# Altium PCB YZL-T808-V1.0.PcbDoc (part 2 of 2)
Units mm, origin at the board's own origin, x right, y up, seen from the top; angles counter-clockwise.
Board outline 152.4 x 101.6 mm, 2 copper layers (Top Layer, Bottom Layer); 60 components, 41 nets, 179 pads, 101 vias.
Unrouted connection lines stored in the file: 1.
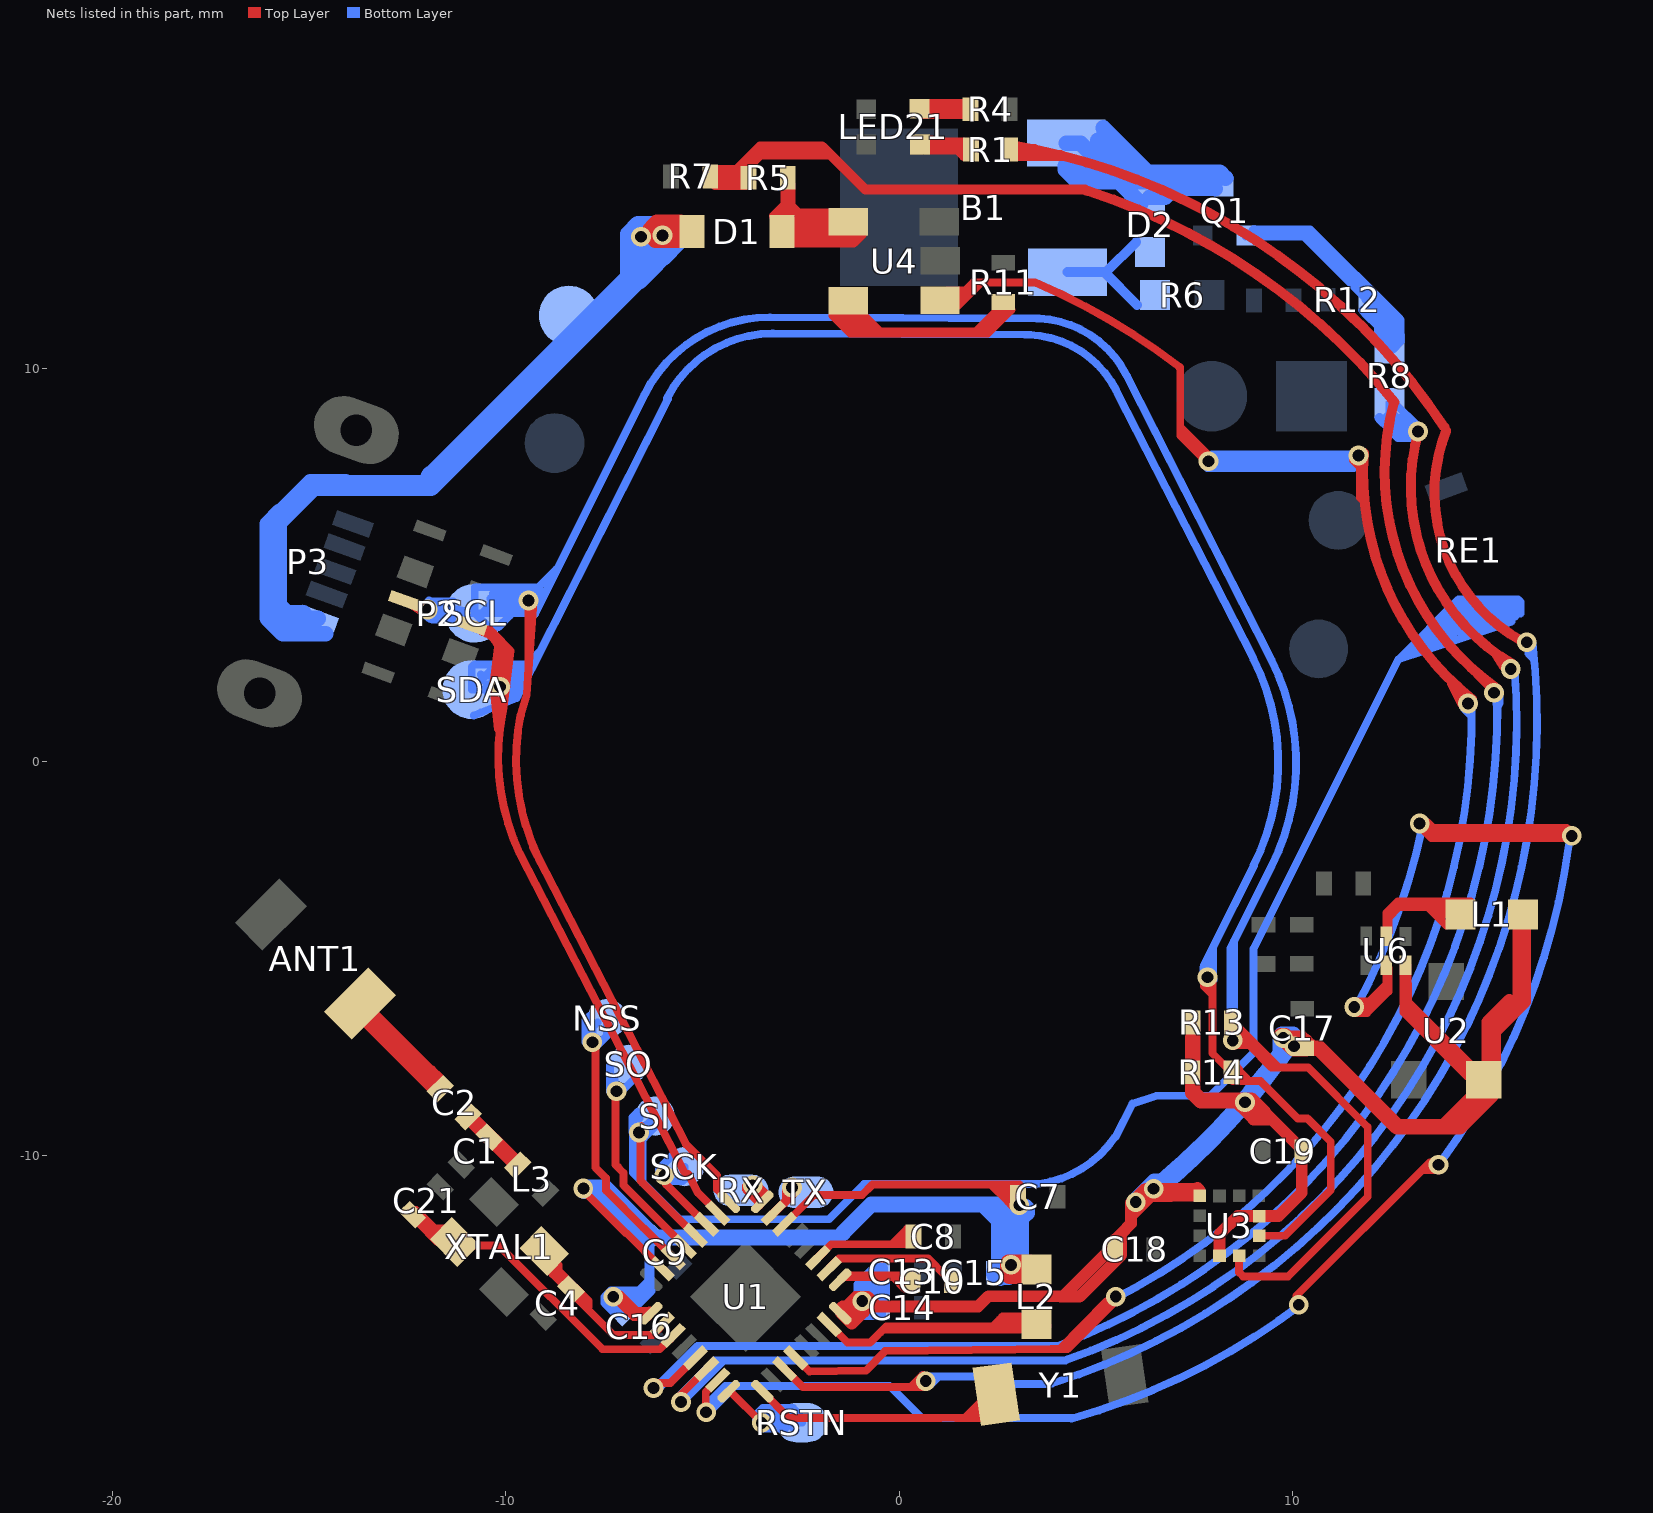
[diagram p2: the nets of this part, all layers, seen from the top]

## Via types
v1: diameter 0.5, hole 0.3, Top Layer to Bottom Layer, 101 vias

## Nets (pads, with @x,y where several pads share a name; then routed paths per layer and width w, separated by ;. In a path a pad name is that pad's centre, name@x,y a point inside that pad or via, vN(x,y) a via of type N, cw(c..) or ccw(c..) an arc to the next point about the centre after c; other vN are vias at no path point) (continued)
LED2: R1.2 U1.11 | length 53.9
  Top Layer w0.2: U1.11@-2.911,-15.435 -2.449,-15.897 0.298,-15.897 ; v1@0.608,-15.586 0.298,-15.897 ; v1@0.671,-15.897 0.298,-15.897
  Top Layer w0.254: R1.2@2.774,15.692 cw(c0.037,-0.661) 13.858,8.499 ; R1.2@2.818,15.557 2.988,15.387 4.166,15.387 ; 13.906,8.416 ccw(c17.917,6.835) v1@15.835,3.06
  Bottom Layer w0.2: v1@0.603,-15.591 0.637,-15.625 0.898,-15.625 ; v1(0.677,-15.746) 0.777,-15.746 0.898,-15.625 ; v1@0.805,-15.832 1.012,-15.625 ; 3.843,-15.815 2.243,-15.815 2.053,-15.625 1.012,-15.625 ; 3.887,-15.806 ccw(c-1.428,1.018) v1@16.103,3.007 ; 15.998,2.748 16.138,2.608 16.138,2.576 ; 0.898,-15.625 1.012,-15.625
  other v1: 15.952,3.032
MOTOR: R8.1 U1.6 | length 49
  Top Layer w0.2: v1(-5.545,-16.275) -5.545,-16.129 -5.565,-16.109 U1.6@-4.891,-15.435
  Top Layer w0.254: v1@13.211,8.421 ccw(c18.219,6.978) v1@15.585,2.481 ; 15.18,2.73 v1@15.371,2.422
  Bottom Layer w0.2: v1@-5.474,-16.299 -5.494,-16.319 v1@-5.538,-16.275 ; -3.722,-15.224 -4.465,-15.224 -5.517,-16.275 v1@-5.538,-16.275 ; 4.228,-15.22 4.222,-15.22 ; v1@13.028,8.359 12.999,8.388 R8.1@12.462,8.925 ; v1@13.19,8.223 12.673,8.223 12.462,8.434 12.462,8.478 12.462,8.709 R8.1@12.462,8.925 ; v1@13.208,8.503 12.601,9.11 R8.1@12.462,9.11 R8.1@12.462,8.925 ; v1@15.645,2.348 cw(c-1.514,1.007) 4.222,-15.22 ; v1@-5.538,-16.275 v1(-5.545,-16.275) -5.545,-16.08 -4.685,-15.22 4.222,-15.22
  Bottom Layer w0.254: 12.211,8.729 12.462,8.478 12.552,8.388 12.688,8.388 ; R8.1@12.408,8.763 12.462,8.709 12.688,8.483 12.688,8.388 ; R8.1@12.793,8.752 12.826,8.752 v1(13.19,8.388) 12.999,8.388 12.688,8.388
  other v1: 15.546,2.353
NetANT1_1: ANT1.1 C2.1 | length 12.3
  Top Layer w0.2: ANT1.1@-13.631,-6.559 -13.631,-6.598 -12.41,-7.819 ; ANT1.1@-13.596,-6.57 -13.521,-6.57 -12.272,-7.819 ; ANT1.1@-13.572,-5.973 -13.572,-6.138 -11.891,-7.819 ; ANT1.1@-13.486,-6.437 -12.103,-7.819 ; -12.219,-8.007 C2.1@-11.914,-8.312 ; -12.037,-7.8 -12.017,-7.819 ; -11.666,-8.029 -11.876,-7.819 -11.891,-7.819 ; -12.41,-7.819 -12.272,-7.819 ; -12.41,-7.819 -11.917,-8.312 C2.1@-11.914,-8.312 ; -12.272,-7.819 -12.103,-7.819 ; -12.272,-7.819 C2.1@-11.779,-8.312 ; -12.103,-7.819 -12.021,-7.902 -11.935,-7.902 ; -12.103,-7.819 -12.017,-7.819 ; -12.017,-7.819 -11.935,-7.902 ; -12.017,-7.819 -11.891,-7.819 ; -11.935,-7.902 C2.1@-11.662,-8.175 ; C2.1@-11.914,-8.312 C2.1@-11.779,-8.312 ; -11.891,-7.819 -11.662,-8.048 C2.1@-11.662,-8.175 ; C2.1@-11.779,-8.312 C2.1@-11.662,-8.312 C2.1@-11.662,-8.175
NetB1_1: B1.1 D2.2 R6.2 | length 3.3
  Bottom Layer w0.25: B1.1@4.278,12.441 B1.1@5.213,12.441 ; D2.2@6.029,13.211 5.259,12.441 B1.1@5.213,12.441 ; 6.048,11.606 B1.1@5.213,12.441
NetB1_2: B1.2 D2.1 Q1.3 | length 15.3
  Bottom Layer w0.4: B1.2@4.229,15.143 4.229,15.042 4.526,14.745 5.149,14.745 ; B1.2@4.247,15.72 4.61,15.72 5.349,14.981 5.849,14.981 ; 4.566,15.073 4.843,15.073 5.149,14.766 5.149,14.745 ; B1.2@5.054,15.784 5.054,15.775 5.849,14.981 ; B1.2@5.186,16.105 6.311,14.981 ; D2.1@6.139,14.177 6.139,14.18 5.574,14.745 ; D2.1@6.377,14.341 D2.1@6.674,14.341 ; 6.499,14.981 6.311,14.981 ; 7.054,14.638 6.99,14.574 ; 7.987,14.574 6.99,14.574 ; 8,14.745 7.847,14.745 ; Q1.3@8.034,14.558 7.847,14.745 ; Q1.3@8.295,14.835 8.149,14.981 6.311,14.981 ; 5.149,14.745 5.574,14.745 ; 5.574,14.745 7.847,14.745 ; 5.849,14.981 6.311,14.981 ; D2.1@6.674,14.341 6.757,14.341 6.99,14.574 ; D2.1@6.674,14.341 6.907,14.574 6.99,14.574
NetC1_2: C1.2 C2.2 L3.2 | length 5.4
  Top Layer w0.2: C2.2@-10.997,-9.098 -9.784,-10.31 -9.695,-10.31 L3.2@-9.695,-10.257 -9.695,-10.115 -10.835,-8.975 C2.2@-10.857,-8.975 ; C2.2@-10.954,-9.022 -9.704,-10.272 L3.2@-9.699,-10.272
NetC4_2: C4.2 U1.2 XTAL1.1 | length 5.7
  Top Layer w0.2: XTAL1.1@-9.02,-12.435 -8.657,-12.797 -8.657,-12.942 -7.888,-13.711 -7.888,-13.847 ; XTAL1.1@-8.896,-12.94 -8.816,-13.02 ; XTAL1.1@-8.767,-12.775 -8.816,-12.823 -8.816,-13.02 ; U1.2@-6.092,-14.4 -6.262,-14.57 -7.266,-14.57 -8.816,-13.02
NetC8_2: C8.2 U1.19 | length 3.2
  Top Layer w0.2: U1.19@-2.063,-12.606 -1.723,-12.266 -0.189,-12.266 ; C8.2@0.166,-12.266 0.023,-12.266 ; C8.2@0.183,-12.067 0.023,-12.227 0.023,-12.266 ; C8.2@0.204,-11.873 -0.189,-12.266 ; -0.189,-12.266 0.023,-12.266
NetC10_1: C10.1 U1.17 | length 4.1
  Top Layer w0.2: U1.17@-1.497,-13.172 U1.17@-1.432,-13.107 ; U1.17@-1.436,-13.107 U1.17@-1.432,-13.107 ; C10.1@0.15,-13.405 -0.148,-13.107 ; C10.1@0.187,-13.124 0.119,-13.056 -0.199,-13.056 ; C10.1@0.342,-13.209 0.191,-13.209 0.089,-13.107 -0.148,-13.107 ; U1.17@-1.432,-13.107 -0.148,-13.107 ; U1.17@-1.432,-13.107 -1.381,-13.056 -0.199,-13.056 ; -0.199,-13.056 -0.148,-13.107
NetC10_2: C10.2 U1.18 | length 3.3
  Top Layer w0.2: U1.18@-1.78,-12.889 -1.78,-12.884 -1.527,-12.631 0.739,-12.631 C10.2@1.185,-13.077
NetC21_1: C21.1 U1.3 XTAL1.3 | length 9
  Top Layer w0.2: C21.1@-12.277,-11.397 -11.81,-11.865 ; C21.1@-12.231,-11.711 -11.73,-12.212 XTAL1.3@-11.485,-12.212 ; XTAL1.3@-11.485,-12.224 XTAL1.3@-11.485,-12.212 ; XTAL1.3@-11.442,-11.865 -11.81,-11.865 ; XTAL1.3@-11.295,-12.212 XTAL1.3@-11.485,-12.212 ; XTAL1.3@-10.98,-12.298 -10.174,-12.298 -7.535,-14.937 -6.085,-14.937 -5.831,-14.683 U1.3@-5.81,-14.683 ; -11.81,-11.865 -11.485,-12.19 XTAL1.3@-11.485,-12.212
NetD1_1: D1.1 P3.1 pad.1 | length 56.2
  Top Layer w0.4: -6.327,13.526 -6.219,13.551 ; v1(-6.014,13.376) -5.945,13.445 D1.1@-5.367,13.445 ; D1.1@-5.547,13.7 -6.161,13.7 -6.263,13.599 -6.263,13.318 -6.2,13.255 -5.358,13.255 -5.264,13.349 D1.1@-5.264,13.473
  Bottom Layer w0.4: -15.909,6.185 -15.909,6.159 ; -15.739,6.362 -16.062,6.038 -16.062,3.646 -15.668,3.252 -15.281,3.252 ; -15.253,3.568 -15.07,3.385 -15.07,3.252 ; -14.93,6.948 -14.871,6.948 ; P3.1@-14.77,3.636 -14.997,3.636 -15.14,3.779 -15.546,3.779 -15.76,3.993 ; -14.578,3.252 -15.07,3.252 ; -14.226,7.113 -14.223,7.11 ; -14.068,7.11 -14.223,7.11 ; -11.971,7.244 -11.903,7.311 ; -11.937,7.3 -11.926,7.311 -11.903,7.311 ; -11.74,7.101 -6.644,12.197 ; v1(-6.559,13.343) -6.559,13.057 -6.635,12.981 ; v1@-6.522,13.383 -6.635,13.27 -6.635,12.981 ; v1@-6.254,13.409 -6.258,13.405 -6.258,12.956 ; v1(-6.014,13.376) -6.014,13.009 ; -5.997,12.796 -5.574,13.218 -5.574,13.609 -5.636,13.671 -6.64,13.671 -6.893,13.419 -6.893,12.724 ; -15.909,6.159 -15.909,4.142 -15.76,3.993 ; -15.909,6.159 -14.958,7.11 -14.223,7.11 ; -15.76,3.993 -15.76,6.059 -14.871,6.948 ; -15.76,3.993 -15.76,3.73 -15.281,3.252 ; -15.281,3.252 -15.07,3.252 ; -14.871,6.948 -11.892,6.948 -11.752,7.088 -14.201,7.088 -14.223,7.11 ; -11.903,7.311 -6.893,12.322 ; -11.903,7.311 -11.722,7.311 -6.837,12.197 ; -6.893,12.322 -6.893,12.724 ; -6.893,12.322 -6.893,12.248 -6.944,12.197 -6.837,12.197 ; -6.893,12.322 -6.635,12.579 ; -6.893,12.724 -6.635,12.981 ; -6.837,12.197 -6.644,12.197 ; -6.837,12.197 -6.635,12.398 ; -6.644,12.197 -6.635,12.197 ; -6.644,12.197 -6.635,12.205 ; -6.635,12.197 -6.635,12.205 ; -6.635,12.197 -6.604,12.197 -6.258,12.542 ; -6.635,12.205 -6.635,12.398 ; -6.635,12.205 -6.258,12.582 ; -6.635,12.398 -6.635,12.579 ; -6.635,12.398 -6.258,12.775 ; -6.635,12.579 -6.635,12.981 ; -6.635,12.579 -6.258,12.956 ; -6.258,12.542 -6.258,12.582 ; -6.258,12.542 -6.014,12.786 -6.014,12.826 ; -6.258,12.582 -6.258,12.775 ; -6.258,12.582 -6.014,12.826 ; -6.258,12.775 -6.258,12.956 ; -6.258,12.956 -6.205,13.009 -6.014,13.009 ; -6.014,12.826 -6.014,13.009
NetL1_2: L1.2 U6.2 | length 6.7
  Top Layer w0.2: U6.2@12.383,-4.453 12.383,-3.849 12.682,-3.55 L1.2@14.521,-3.55 ; U6.2@12.437,-4.34 12.437,-3.964 12.7,-3.701 13.442,-3.701 ; 13.687,-3.722 13.851,-3.886 L1.2@14.268,-3.886 ; L1.2@13.908,-4.166 13.442,-3.701 ; L1.2@14.435,-3.854 14.281,-3.701 13.442,-3.701
NetL2_2: L2.2 U1.15 | length 12.1
  Top Layer w0.2: U1.15@-1.78,-14.303 -1.774,-14.303 -1.309,-14.768 -0.742,-14.768 -0.325,-14.351 3.487,-14.345 L2.2@3.501,-14.345 ; -0.476,-14.512 -0.397,-14.434 3.413,-14.434 L2.2@3.501,-14.345 ; 2.419,-14.316 2.556,-14.179 ; L2.2@3.266,-14.248 3.198,-14.179 2.556,-14.179 ; L2.2@3.776,-14.345 L2.2@3.501,-14.345 ; 2.556,-14.179 2.63,-14.106 3.413,-14.106 3.487,-14.179 L2.2@3.487,-14.293 3.554,-14.293 L2.2@3.501,-14.345
NetLED21_1: LED21.1 R4.1 | length 3.9
  Top Layer w0.25: R4.1@1.727,16.685 1.694,16.718 0.688,16.718 LED21.1@0.56,16.591 ; R4.1@1.782,16.459 1.777,16.464 0.609,16.464 0.52,16.553 LED21.1@0.52,16.591 LED21.1@0.56,16.591 ; R4.1@1.829,16.574 1.813,16.591 LED21.1@0.56,16.591
NetLED21_2: LED21.2 R1.1 | length 4.3
  Top Layer w0.25: LED21.2@0.632,15.78 0.674,15.739 0.899,15.739 ; 0.924,15.713 0.899,15.739 ; R1.1@1.653,15.388 1.482,15.559 0.655,15.559 LED21.2@0.53,15.683 ; R1.1@1.758,15.628 1.702,15.683 R1.1@1.698,15.683 ; R1.1@1.825,15.557 R1.1@1.698,15.683 ; LED21.2@0.53,15.683 0.53,15.749 0.574,15.793 0.844,15.793 0.899,15.739 ; LED21.2@0.53,15.683 R1.1@1.698,15.683 ; 0.899,15.739 1.643,15.739 R1.1@1.698,15.683
NetQ1_G: Q1.1 R8.2 R12.2 | length 17.1
  Bottom Layer w0.254: Q1.1@8.823,13.373 10.299,13.373 R12.2@11.843,11.828 ; Q1.1@9.013,13.496 9.019,13.502 10.374,13.502 11.882,11.994 R12.2@11.882,11.741 ; 9.343,13.503 10.444,13.503 12.717,11.229 12.717,11.046 ; R12.2@11.807,11.463 11.873,11.398 ; 11.873,11.422 11.873,11.398 ; R12.2@11.964,11.578 12.653,10.889 12.653,10.88 ; R12.2@12.077,11.675 12.706,11.046 12.717,11.046 ; 12.196,11.163 12.2,11.16 12.2,11.071 ; 12.388,11.02 12.461,10.947 R8.2@12.461,10.494 ; 11.873,11.398 12.2,11.071 ; 12.2,11.071 12.233,11.038 12.233,10.723 R8.2@12.461,10.494 ; 12.2,11.071 12.2,10.681 12.386,10.494 R8.2@12.461,10.494 ; R8.2@12.461,10.494 12.536,10.494 12.717,10.676 12.717,11.046
NetR11_1: R11.1 U4.5 | length 9
  Top Layer w0.25: -1.668,11.336 -1.239,10.907 -1.126,10.907 ; U4.5@-1.507,11.443 -1.126,11.062 -1.126,10.907 ; U4.5@-1.212,11.384 -0.858,11.03 -0.858,10.907 ; U4.5@-1.121,11.536 -0.493,10.907 ; R11.1@2.601,11.551 1.957,10.907 ; R11.1@2.665,11.583 2.665,11.508 2.064,10.907 ; R11.1@2.828,11.487 2.248,10.907 2.064,10.907 ; -1.126,10.907 -0.858,10.907 ; -0.858,10.907 -0.493,10.907 ; -0.493,10.907 1.957,10.907 ; 1.957,10.907 2.064,10.907
NetU1_9: U1.9 Y1.1 | length 8
  Top Layer w0.2: U1.9@-3.477,-16 -3.477,-16.005 -2.801,-16.681 1.053,-16.681 1.119,-16.676 1.665,-16.679 ; 1.442,-16.683 1.661,-16.683 1.663,-16.681 ; 1.609,-16.681 1.663,-16.681 ; Y1.1@2.114,-16.418 1.939,-16.593 1.939,-16.681 ; Y1.1@2.239,-16.681 2.008,-16.681 ; Y1.1@2.47,-16.078 2.266,-16.078 1.665,-16.679 ; 1.663,-16.681 2.008,-16.681 ; 1.663,-16.681 1.665,-16.679 ; 1.665,-16.679 1.939,-16.681 ; 1.939,-16.681 2.008,-16.681
P00/UART1_TX: TX.1 U1.23 | length 1.6
  Top Layer w0.2: U1.23@-3.264,-11.572 v1@-2.67,-10.977 ; U1.23@-3.194,-11.475 -2.976,-11.257 -2.976,-11.247 -2.871,-11.141 v1@-2.871,-10.863
  Bottom Layer w0.2: TX.1@-2.722,-10.873 v1(-2.722,-10.826)
P01/UART1_RX: RX.1 U1.24 | length 2.1
  Top Layer w0.2: v1@-3.893,-10.785 -3.893,-10.874 -3.574,-11.192 U1.24@-3.551,-11.192 ; v1(-3.724,-10.765) -3.724,-11.019 U1.24@-3.551,-11.192 ; v1@-3.614,-10.891 -3.614,-10.898 -3.477,-11.035 U1.24@-3.477,-11.192 ; v1@-3.551,-10.824 -3.357,-11.018 -3.357,-11.072 U1.24@-3.477,-11.192 ; U1.24@-3.547,-11.289 -3.547,-11.196 U1.24@-3.551,-11.192 ; U1.24@-3.551,-11.192 U1.24@-3.477,-11.192
P02/I2C_SCL: P2.3 R13.1 SCL.1 U1.25 U3.12 | length 90.9
  Top Layer w0.2: P2.3@-12.27,3.98 P2.3@-12.571,4.086 ; v1@-12.182,3.841 P2.3@-12.571,4.086 ; v1@-12.112,3.965 v1@-12.101,3.957 ; v1@-12.015,3.933 v1@-12.101,3.957 ; -9.626,1.171 ccw(c-3.949,0.053) -9.19,-2.397 ; -9.612,1.189 -9.465,1.702 -9.423,2.374 v1(-9.417,4.095) ; -9.436,2.16 -9.296,4.086 v1@-9.295,4.097 ; -9.313,-2.16 -9.19,-2.397 ; -9.108,-2.567 cw(c-3.949,0.053) -9.19,-2.397 ; -5.416,-9.729 -5.404,-9.74 ; U1.25@-4.306,-11.199 -4.625,-10.88 -4.625,-10.519 -5.404,-9.74 ; v1@8.516,-7.229 8.534,-7.21 8.9,-7.21 ; R13.1@8.576,-6.886 8.9,-7.21 ; R13.1@8.581,-6.706 9.65,-7.775 ; U3.12@8.643,-12.56 8.643,-12.982 8.744,-13.083 9.888,-13.083 11.913,-11.057 11.913,-9.29 10.398,-7.775 9.65,-7.775 ; P2.3@-12.571,4.086 v1@-12.101,3.957 ; P2.3@-12.571,4.086 -12.064,3.883 v1(-11.982,3.865) v1@-12.101,3.957 ; -9.19,-2.397 -5.404,-9.74 ; 8.9,-7.21 9.464,-7.775 9.65,-7.775
  Bottom Layer w0.2: v1@-11.999,3.688 ccw(c-11.814,3.873) -11.814,3.612 -11.286,3.612 cw(c-10.9,3.226) SCL.1@-10.979,3.766 ; v1@-11.999,3.736 -11.978,3.736 SCL.1@-10.979,3.766 ; v1@-11.917,4.024 SCL.1@-10.785,3.772 ; SCL.1@-11.333,4.072 -11.889,4.072 cw(c-11.889,4.152) -11.946,4.095 ccw(c-11.861,4.01) -11.982,4.01 v1(-11.982,3.865) SCL.1@-11.268,3.8 ; SCL.1@-10.407,3.911 -10.357,3.861 v1@-9.478,3.861 ; SCL.1@-10.387,4.143 -10.369,4.161 -9.187,4.161 -9.187,4.152 v1@-9.302,4.037 ; SCL.1@-10.323,4.27 -9.141,4.27 -9.081,4.33 -8.969,4.33 ; -9.899,3.705 -10.181,3.423 -10.437,3.423 SCL.1@-10.785,3.772 ; -9.257,3.754 -9.153,3.963 -8.969,4.33 ; v1@-9.221,4.037 v1@-9.302,4.037 ; -9.183,3.929 -9.251,3.861 ; -8.705,4.897 -9.17,4.432 -10.785,4.432 SCL.1@-10.785,3.772 ; -6.473,9.326 -8.969,4.33 ; -6.462,9.347 cw(c-3.288,7.735) -3.288,11.295 ; -3.274,11.295 3.506,11.265 ; 3.555,11.26 cw(c3.448,8.662) 5.766,9.84 ; 5.789,9.796 9.465,2.585 ; v1@8.419,-7.048 8.419,-4.744 8.512,-4.559 ; v1@8.519,-7.01 8.512,-7.004 8.512,-4.559 ; 9.445,-2.698 8.512,-4.559 ; 9.464,-2.661 ccw(c4.306,-0.041) 9.464,2.579 ; SCL.1@-10.979,3.766 cw(c-10.9,3.226) -10.9,3.772 SCL.1@-10.785,3.772 ; SCL.1@-10.979,3.766 SCL.1@-10.785,3.772 ; SCL.1@-10.785,3.772 SCL.1@-10.606,3.772 ; SCL.1@-10.606,3.772 -9.567,3.772 ; SCL.1@-10.606,3.772 -10.341,4.037 v1@-9.302,4.037 ; -9.567,3.772 -9.34,3.772 -9.251,3.861 ; -9.567,3.772 v1@-9.478,3.861 ; v1@-9.478,3.861 v1@-9.302,4.037 ; v1@-9.478,3.861 -9.251,3.861
  other v1: 8.481,-7.086
P03/I2C_SDA: P2.4 R14.1 SDA.1 U1.26 U3.2 | length 82.2
  Top Layer w0.2: -10.497,3.256 -10.45,3.256 -10.289,3.095 ; -10.492,3.362 -10.401,3.362 -10.299,3.26 -10.302,3.258 ; -10.435,3.297 -10.589,3.297 P2.4@-10.688,3.396 ; -10.404,3.274 -10.289,3.095 ; -10.198,0.824 -10.309,1.887 -10.31,1.896 -10.31,1.963 -10.198,2.912 ; -10.166,1.224 -10.109,1.901 -10.108,1.913 -10.04,2.711 ; -10.081,1.241 ccw(c-4.404,0.123) -9.646,-2.327 ; -10.06,1.289 -9.989,1.886 v1@-9.987,1.902 ; -10.025,2.893 -10.04,2.711 ; v1@-9.983,1.902 v1@-9.987,1.902 ; -9.63,-2.348 -5.456,-10.444 -5.359,-10.475 -5.107,-10.964 ; -5.109,-10.962 -5.107,-10.964 ; -5.107,-10.966 -5.107,-10.964 ; U1.26@-4.589,-11.482 -5.107,-10.964 ; v1@7.719,-5.495 v1@7.745,-5.495 ; v1@7.744,-5.59 7.744,-5.708 7.963,-5.927 ; v1@7.92,-5.48 7.963,-5.522 7.963,-5.927 ; R14.1@8.481,-8.122 9.185,-8.122 10.132,-9.07 10.379,-9.07 10.971,-9.662 10.971,-10.889 9.809,-12.051 U3.2@9.152,-12.051 ; 8.647,-7.879 8.647,-7.826 8.601,-7.779 8.601,-7.836 R14.1@8.539,-7.898 ; 8.743,-8.071 R14.1@8.57,-7.898 ; 8.832,-8.05 8.68,-7.898 R14.1@8.57,-7.898 ; P2.4@-10.688,3.396 -10.302,3.258 ; P2.4@-10.688,3.396 P2.4@-10.883,3.465 -10.757,3.465 P2.4@-10.688,3.396 ; -10.302,3.258 -9.877,2.816 v1@-9.987,1.903 ; -10.289,3.095 -10.04,2.711 ; 7.963,-5.927 7.963,-7.404 7.958,-7.409 R14.1@8.446,-7.898 R14.1@8.539,-7.898 ; R14.1@8.539,-7.898 R14.1@8.57,-7.898
  Bottom Layer w0.2: SDA.1@-10.812,1.171 -10.625,1.247 -9.72,1.615 ; SDA.1@-10.632,2.215 -10.61,2.193 SDA.1@-10.498,2.193 ; SDA.1@-10.525,1.833 -10.477,1.785 -9.633,1.785 ; SDA.1@-10.474,1.966 -10.472,1.964 SDA.1@-10.402,1.964 ; SDA.1@-10.15,1.612 -10.106,1.656 -9.699,1.656 -9.633,1.785 ; -9.56,2.121 -9.619,2.121 ; -9.559,2.306 -9.594,2.341 -10.35,2.341 SDA.1@-10.498,2.193 ; -9.332,2.371 -9.337,2.371 ; -9.15,2.779 -9.459,2.47 -10.796,2.47 -10.862,2.404 SDA.1@-10.862,1.829 ; -5.899,9.235 cw(c-3.216,7.873) -3.216,10.881 ; -5.87,9.217 -9.337,2.371 ; -3.201,10.881 3.309,10.849 ; 3.202,10.851 cw(c3.202,8.251) 3.309,10.849 ; 3.341,10.848 3.309,10.849 ; 5.521,9.428 ccw(c3.202,8.251) 3.309,10.849 ; 5.543,9.385 9.002,2.618 ; 7.729,-5.226 7.729,-5.387 7.824,-5.482 7.887,-5.482 7.887,-5.084 7.895,-5.076 ; 7.746,-5.183 7.983,-4.71 ; v1@7.994,-5.552 7.983,-5.542 7.983,-4.71 ; 9.009,-2.641 ccw(c3.85,-0.021) 9.009,2.599 ; 9.026,-2.629 7.983,-4.71 ; SDA.1@-10.862,1.829 SDA.1@-10.498,2.193 ; SDA.1@-10.862,1.829 -10.537,1.829 SDA.1@-10.402,1.964 ; SDA.1@-10.498,2.193 -9.547,2.193 ; SDA.1@-10.402,1.964 -9.543,1.964 ; SDA.1@-10.402,1.964 -10.245,2.121 -9.619,2.121 ; -9.633,1.785 -9.543,1.964 ; -9.619,2.121 -9.547,2.193 ; -9.547,2.193 -9.368,2.371 -9.337,2.371 ; -9.543,1.964 -9.337,2.371
  other v1: 7.839,-5.48 -10.142,1.904
P04/SPI_SCK: SCK.1 U1.27 | length 3.4
  Top Layer w0.2: v1@-5.947,-10.476 -5.947,-10.49 -5.922,-10.515 -5.922,-10.744 -4.909,-11.758 U1.27@-4.891,-11.758
  Bottom Layer w0.2: v1(-5.971,-10.518) -6.104,-10.384 -6.104,-10.348 SCK.1@-5.702,-9.947 ; v1@-5.958,-10.666 -5.501,-10.666 -5.453,-10.619 SCK.1@-5.453,-10.296
P05/SPI_SI: RE1.1 SI.1 U1.28 | length 56.6
  Top Layer w0.2: v1@-6.555,-9.254 -6.574,-9.272 -6.574,-10.653 -5.186,-12.04 U1.28@-5.174,-12.04
  Bottom Layer w0.2: v1@-6.769,-9.346 v1@-6.769,-9.426 ; SI.1@-6.646,-8.904 -6.782,-9.04 -6.782,-9.415 -6.771,-9.426 v1@-6.769,-9.426 ; SI.1@-6.592,-9.064 -6.664,-9.135 v1@-6.664,-9.341 ; SI.1@-6.591,-9.268 v1@-6.664,-9.341 ; v1@-6.493,-9.592 -6.493,-9.572 -6.201,-9.28 SI.1@-6.201,-9.011 -6.58,-9.389 -6.58,-9.406 -6.52,-9.465 -6.52,-10.695 ; 3.497,-10.738 -0.888,-10.738 -1.781,-11.631 -5.584,-11.631 -6.52,-10.695 ; 3.567,-10.73 ccw(c3.205,-8.005) 5.475,-9.555 ; 5.502,-9.54 5.932,-8.694 6.546,-8.494 7.913,-8.494 9.008,-7.398 9.008,-4.757 12.697,2.603 ; 13.115,2.851 13.115,2.869 13.804,3.558 13.9,3.558 ; 13.852,3.42 14.26,3.42 ; 13.906,3.3 13.763,3.156 ; 14.05,3.21 14.14,3.3 ; 14.146,3.809 14.149,3.806 ; 14.547,3.3 14.14,3.3 ; 14.949,3.444 14.925,3.42 RE1.1@14.702,3.42 ; RE1.1@15.06,3.778 RE1.1@15.044,3.761 ; 15.599,3.68 15.651,3.68 15.775,3.804 15.775,3.866 ; 15.674,3.959 14.302,3.959 14.149,3.806 ; v1@-6.769,-9.426 -6.769,-10.446 -6.719,-10.496 ; v1@-6.769,-9.426 v1@-6.719,-9.426 ; -6.719,-10.496 v1@-6.719,-9.426 ; -6.719,-10.496 -6.52,-10.695 ; v1@-6.719,-9.426 -6.719,-9.396 v1@-6.664,-9.341 ; v1@-6.719,-9.426 v1(-6.613,-9.426) -6.664,-9.375 v1@-6.664,-9.341 ; 12.697,2.603 12.702,2.605 ; 12.697,2.603 12.7,2.603 12.702,2.605 ; 12.702,2.605 13.317,2.809 ; 12.702,2.605 14.218,4.121 15.728,4.121 15.794,4.055 15.794,3.761 RE1.1@15.044,3.761 ; 13.317,2.809 13.502,2.871 ; 13.317,2.809 13.317,2.974 13.9,3.558 ; 13.502,2.871 13.502,2.896 13.763,3.156 ; 13.502,2.871 15.57,3.558 RE1.1@14.84,3.558 ; 13.763,3.156 13.912,3.156 14.056,3.3 14.14,3.3 ; 13.9,3.558 14.398,3.558 ; 13.9,3.558 14.149,3.806 ; 14.14,3.3 14.26,3.42 ; 14.149,3.806 14.194,3.761 RE1.1@15.044,3.761 ; 14.26,3.42 14.398,3.558 ; 14.26,3.42 RE1.1@14.702,3.42 ; 14.398,3.558 RE1.1@14.84,3.558 ; RE1.1@14.702,3.42 RE1.1@14.84,3.558 ; RE1.1@14.84,3.558 RE1.1@15.044,3.761
P06/SPI_SO: SO.1 U1.29 | length 6.7
  Top Layer w0.2: v1@-7.204,-8.246 -7.204,-10.246 -7.134,-10.315 ; -7.174,-10.286 -7.009,-10.451 -7.009,-10.763 -5.457,-12.315 U1.29@-5.457,-12.323
  Bottom Layer w0.2: SO.1@-7.303,-7.684 -7.347,-7.728 -7.347,-8.381 v1(-7.181,-8.381) ; SO.1@-7.237,-8.014 -7.237,-8.325 v1(-7.181,-8.381) ; SO.1@-6.757,-8.09 -7.048,-8.381 v1(-7.181,-8.381)
P07/SPI_NSS: NSS.1 U1.30 | length 8.6
  Top Layer w0.2: v1@-7.719,-7.025 -7.719,-10.321 -7.452,-10.587 -7.452,-10.898 -6.5,-11.85 -6.496,-11.85 U1.30@-5.74,-12.606
  Bottom Layer w0.2: NSS.1@-7.871,-6.469 -7.967,-6.565 -7.967,-7.133 v1(-7.796,-7.133) -7.796,-6.761 NSS.1@-7.67,-6.635 ; v1@-7.663,-7.204 -7.422,-6.963 NSS.1@-7.422,-6.528
RSTN: RSTN.1 U1.8 | length 6.7
  Top Layer w0.2: U1.8@-4.326,-16 -4.3,-16 v1(-3.493,-16.808)
  Bottom Layer w0.2: v1@-3.639,-16.794 -3.639,-16.6 -3.463,-16.424 -2.701,-16.424 -2.472,-16.653 RSTN.1@-2.472,-16.803 RSTN.1@-2.75,-16.803 ; v1(-3.493,-16.808) -3.225,-16.808 ; v1@-3.485,-16.644 -3.325,-16.803 -3.221,-16.803 ; v1@-3.445,-16.957 -2.903,-16.957 RSTN.1@-2.789,-16.842 ; v1@-3.388,-16.6 -3.203,-16.6 ; RSTN.1@-2.956,-16.552 -3.005,-16.6 -3.203,-16.6 ; RSTN.1@-2.731,-16.582 RSTN.1@-2.952,-16.803 ; RSTN.1@-2.629,-17.002 RSTN.1@-2.789,-16.842 ; -3.225,-16.808 -3.221,-16.803 ; -3.225,-16.808 RSTN.1@-2.957,-16.808 ; -3.221,-16.803 -3.11,-16.692 -3.203,-16.6 ; -3.221,-16.803 RSTN.1@-2.952,-16.803 ; RSTN.1@-2.957,-16.808 RSTN.1@-2.952,-16.803 ; RSTN.1@-2.957,-16.808 -2.824,-16.808 RSTN.1@-2.789,-16.842 ; RSTN.1@-2.952,-16.803 RSTN.1@-2.75,-16.803 ; RSTN.1@-2.789,-16.842 RSTN.1@-2.75,-16.803
SW: C7.2 C9.2 C15.2 C16.2 L2.1 U1.1 U1.22 U1.31 | length 45.9
  Top Layer w0.2: v1@-7.964,-10.965 -6.939,-11.989 -6.925,-11.989 -6.025,-12.889 U1.31@-6.023,-12.889 ; v1@-7.093,-13.539 -6.671,-13.962 ; U1.1@-6.375,-14.117 -6.746,-14.117 v1(-7.263,-13.6) -7.144,-13.6 -6.782,-13.962 -6.671,-13.962 ; U1.1@-6.342,-13.95 -6.355,-13.962 -6.671,-13.962 ; U1.22@-2.911,-11.758 -2.91,-11.758 -2.172,-11.019 -0.947,-11.019 -0.675,-10.747 2.332,-10.747 ; 2.554,-10.827 2.772,-11.045 2.772,-11.187 ; 2.648,-10.774 2.932,-11.057 C7.2@3.022,-11.057 ; v1(2.843,-12.792) 2.906,-12.729 2.954,-12.681 L2.1@3.525,-12.681 ; v1@2.961,-11.376 2.832,-11.247 2.772,-11.187 ; 3.063,-10.747 2.332,-10.747 ; 2.332,-10.747 2.772,-11.187
  Top Layer w0.4: v1@2.879,-12.931 3.021,-13.072 3.405,-13.072 3.488,-12.989 L2.1@3.488,-12.908 3.488,-12.881 3.336,-12.729 2.906,-12.729 2.783,-12.729 2.765,-12.747 2.765,-13.044 2.802,-13.081 L2.1@3.14,-13.081
  Bottom Layer w0.2: v1(-8.024,-10.849) -7.928,-10.849 -7.864,-10.849 -7.795,-10.917 C9.2@-6.501,-12.212 ; v1(-7.263,-13.6) -7.263,-13.722 C16.2@-7.012,-13.973 ; v1@-7.257,-13.604 -7.251,-13.61 -6.567,-13.61 ; -6.949,-13.643 -6.964,-13.658 C16.2@-6.964,-14.007 ; C9.2@-6.377,-12.326 -6.377,-13.2 -6.612,-13.436 -7.322,-13.436 -7.491,-13.605 -7.491,-13.758 -7.207,-14.042 -6.964,-14.042 C16.2@-6.964,-14.007 ; C9.2@-6.32,-12.257 -6.32,-13.364 -6.567,-13.61 ; C9.2@-6.31,-12.122 C9.2@-6.247,-12.059 ; -6.297,-13.46 -6.692,-13.871 C16.2@-6.902,-13.945 ; C16.2@-6.964,-14.007 C16.2@-6.902,-13.945 ; C16.2@-6.964,-14.007 -6.922,-13.952 C16.2@-6.902,-13.945 ; C16.2@-6.902,-13.945 -6.567,-13.61
  Bottom Layer w0.4: v1@-8.028,-10.816 v1@-7.895,-10.816 ; -7.54,-10.949 -7.571,-10.917 -7.795,-10.917 -7.996,-10.917 -7.928,-10.849 v1@-7.895,-10.816 ; C9.2@-6.31,-12.122 -6.31,-11.98 -7.474,-10.816 v1@-7.895,-10.816 ; C9.2@-6.247,-12.059 -6.213,-12.093 -1.542,-12.093 -1.525,-12.076 ; -1.417,-11.984 -1.417,-11.968 -0.707,-11.258 2.128,-11.258 ; C15.2@2.5,-13.063 C15.2@2.534,-13.098 ; C15.2@2.54,-13.098 C15.2@2.562,-13.098 ; C15.2@2.541,-12.887 2.541,-11.67 2.128,-11.258 ; C15.2@2.564,-13.127 C15.2@2.534,-13.098 ; 2.796,-11.382 2.843,-11.429 2.843,-11.855 ; v1(2.843,-12.792) 2.843,-11.855 ; v1@2.886,-12.809 v1@2.886,-12.997 ; v1@2.977,-11.318 3.217,-11.318 3.253,-11.354 3.253,-11.472 3.099,-11.625 ; v1@3.08,-11.264 3.074,-11.258 2.128,-11.258 ; v1@3.09,-11.486 3.099,-11.495 3.099,-11.625 ; C15.2@2.434,-12.992 C15.2@2.54,-13.098 ; C15.2@2.434,-12.992 2.455,-12.992 C15.2@2.562,-13.098 ; C15.2@2.434,-12.992 C15.2@2.403,-12.992 2.403,-13.027 2.474,-13.098 C15.2@2.534,-13.098 ; C15.2@2.534,-13.098 C15.2@2.54,-13.098 ; C15.2@2.54,-13.098 C15.2@2.562,-13.098 ; C15.2@2.562,-13.098 2.785,-13.098 v1@2.886,-12.997 ; 2.843,-11.855 2.87,-11.855 3.099,-11.625 ; v1@2.886,-12.997 3.099,-12.784 3.099,-11.625
  other v1: 3.057,-11.272
TPS_ON: U1.7 U6.5 | length 49.3
  Top Layer w0.2: v1(-4.905,-16.535) v1@-4.905,-16.551 ; v1@-4.882,-16.574 v1@-4.905,-16.551 ; U1.7@-4.609,-15.717 -4.914,-16.023 -4.914,-16.469 -4.95,-16.505 v1@-4.905,-16.551 ; v1@10.097,-13.578 13.492,-10.183 v1@13.784,-10.183 ; v1@11.582,-6.094 11.582,-6.093 11.952,-6.093 ; v1@11.592,-6.396 11.888,-6.396 12.445,-5.84 12.445,-5.247 12.386,-5.188 12.386,-5.659 ; v1@11.691,-6.353 11.952,-6.093 ; 12.386,-5.677 12.386,-5.659 ; 13.322,-10.376 v1@13.705,-10.4 ; 11.952,-6.093 12.386,-5.659
  Top Layer w0.3: v1(13.231,-1.572) 13.387,-1.572 13.547,-1.732 16.955,-1.732 v1@17.043,-1.821 ; v1@13.234,-1.586 13.536,-1.887 v1(17.096,-1.887)
  Bottom Layer w0.2: -4.257,-15.959 -4.834,-16.535 v1(-4.905,-16.535) -4.987,-16.453 -4.987,-16.435 -4.419,-15.868 -0.241,-15.868 0.579,-16.688 4.381,-16.688 ; 4.381,-16.702 ccw(c-0.433,0.272) v1@10.238,-13.779 ; v1@11.605,-6.266 ccw(c-3.536,1.917) v1@13.303,-1.641 ; v1@13.762,-10.179 ccw(c-0.46,0.262) 17.021,-2.128
  other v1: 10.157,-13.804 13.711,-10.244 11.57,-6.238
USB: D1.2 R5.2 U4.4 | length 11.9
  Top Layer w0.254: D1.2@-3.181,13.872 -3.169,13.872 -2.89,14.151 -2.89,14.785 R5.2@-2.831,14.844 D1.2@-2.831,13.722 ; D1.2@-3.068,13.634 -2.981,13.722 D1.2@-2.831,13.722 ; D1.2@-2.896,13.62 -2.831,13.685 D1.2@-2.831,13.722 ; D1.2@-2.798,13.431 -2.774,13.408 -0.938,13.408 -1.153,13.193 -2.698,13.193 D1.2@-2.978,13.473 -1.657,13.473 U4.4@-1.543,13.588 ; R5.2@-2.763,14.651 -2.763,14.128 -2.565,13.93 -1.543,13.93 U4.4@-1.334,13.722 ; U4.4@-1.296,13.722 U4.4@-1.334,13.722 ; D1.2@-2.831,13.722 U4.4@-1.334,13.722
USB_TEXT: R5.1 R7.2 U1.5 | length 69.4
  Top Layer w0.2: v1(-6.242,-15.92) -6.22,-15.92 v1@-6.132,-16.008 ; v1@-6.215,-15.79 -5.812,-15.79 U1.5@-5.174,-15.152 ; -4.095,14.872 -3.812,14.872 R5.1@-3.778,14.839
  Top Layer w0.254: R5.1@-3.847,14.669 -3.857,14.66 -4.674,14.66 -4.802,14.787 R7.2@-4.802,14.872 ; -1.687,15.365 -1.747,15.425 ; 4.745,14.517 4.727,14.535 -0.855,14.535 -1.744,15.425 -1.747,15.425 ; 4.795,14.508 cw(c-0.321,-1.264) 12.594,9.134 ; 12.572,9.112 ccw(c19.075,7.364) v1@15.192,1.863 ; 14.718,2.211 v1@15.036,1.894 ; R7.2@-4.802,14.872 -4.802,15.038 -4.126,15.038 -3.531,15.633 -1.955,15.633 -1.747,15.425 ; R7.2@-4.802,14.872 -4.095,14.872 -3.543,15.425 -1.747,15.425
  Bottom Layer w0.2: v1(-6.242,-15.92) v1@-6.192,-15.92 ; -4.617,-14.858 -5.036,-14.858 -6.098,-15.92 v1@-6.192,-15.92 ; 4.02,-14.855 ccw(c-2.012,1.265) 4.024,-14.854 ; 4.039,-14.854 4.024,-14.854 ; 15.198,1.484 cw(c-2.012,1.265) 4.024,-14.854 ; 15.205,1.113 15.205,1.402 15.242,1.439 ; v1@-6.192,-15.92 -5.126,-14.854 4.024,-14.854
  Bottom Layer w0.254: 15.214,1.469 15.231,1.486 v1@15.231,1.764
  other v1: 15.12,1.751
VCCBAT: C13.2 C14.2 C17.2 C18.1 C19.1 L1.1 R13.2 R14.2 U1.16 U2.2 U3.3 U3.7 U3.11 U6.6 | length 74.2
  Top Layer w0.254: v1(-0.937,-13.713) -0.937,-13.847 -0.937,-13.898 -0.937,-14.02 ; -0.801,-13.926 -0.896,-14.02 -0.937,-14.02 ; -0.61,-13.76 -0.613,-13.76 -0.787,-13.586 -1.11,-13.586 -1.37,-13.847 -1.497,-13.974 U1.16@-1.497,-14.02 ; U1.16@-1.497,-14.02 -1.059,-14.02 -0.937,-14.02 ; U1.16@-1.497,-14.02 -1.204,-14.313 -1.195,-14.313 -0.937,-14.055 -0.937,-14.02
  Top Layer w0.3: U1.16@-1.512,-13.928 -1.431,-13.847 -1.37,-13.847 -0.937,-13.847 v1@-0.886,-13.847 ; -1.059,-14.02 -0.937,-13.898 v1@-0.886,-13.847 ; 4.104,-13.596 4.587,-13.596 5.642,-12.542 5.642,-11.998 ; C18.1@5.49,-12.287 C18.1@5.49,-12.272 ; C18.1@5.558,-12.204 C18.1@5.49,-12.272 ; v1@6.236,-10.878 5.893,-11.221 5.893,-11.554 ; v1@6.278,-10.862 7.507,-10.862 7.645,-11 U3.7@7.645,-11.035 6.912,-11.035 ; v1@6.629,-10.975 6.666,-11.013 ; 7.018,-11.013 6.666,-11.013 ; 7.581,-10.836 U3.7@7.64,-10.895 ; U3.11@8.143,-12.557 8.143,-12.018 8.611,-11.55 U3.3@9.121,-11.55 ; v1@8.667,-8.752 9.01,-9.096 9.477,-9.096 ; 8.924,-8.929 9.311,-8.929 9.477,-9.096 ; U3.3@9.151,-11.553 9.641,-11.553 10.235,-10.959 C19.1@10.235,-10.002 ; C19.1@10.247,-9.903 10.247,-9.865 9.477,-9.096 ; U6.6@12.873,-5.188 12.873,-6.359 14.329,-7.816 ; 12.88,-5.66 12.88,-6.111 U2.2@14.586,-7.816 ; U2.2@14.501,-7.98 14.493,-7.98 14.329,-7.816 ; U2.2@14.84,-7.816 U2.2@14.586,-7.816 ; U2.2@14.954,-7.686 14.954,-6.614 15.51,-6.058 ; 15.168,-6.614 15.742,-6.04 L1.1@15.742,-3.886 ; L1.1@15.907,-4.024 15.915,-4.032 15.915,-6.105 15.145,-6.876 15.145,-7.749 14.857,-8.037 U2.2@14.857,-8.088 U2.2@14.586,-7.816 ; v1@-0.886,-13.847 2.013,-13.847 2.271,-13.59 4.172,-13.59 C18.1@5.49,-12.272 ; C18.1@5.49,-12.272 5.49,-12.15 5.642,-11.998 ; 5.642,-11.998 5.893,-11.747 5.893,-11.554 ; 5.893,-11.554 6.402,-11.044 6.912,-11.044 6.912,-11.035 ; 6.666,-11.013 6.689,-11.035 6.912,-11.035 ; 14.329,-7.816 U2.2@14.586,-7.816
  Top Layer w0.4: R13.2@7.464,-6.63 7.464,-8.407 7.673,-8.616 8.951,-8.616 9.126,-8.791 ; v1@8.787,-8.791 9.126,-8.791 ; 9.127,-8.791 9.255,-8.919 ; 9.203,-8.868 9.126,-8.791 ; 10.222,-7.029 9.863,-7.029 9.806,-6.972 9.706,-6.972 9.706,-6.976 10.031,-7.301 C17.2@10.238,-7.301 ; C17.2@10.348,-7.301 C17.2@10.238,-7.301 ; C17.2@10.424,-7.279 10.402,-7.257 C17.2@10.281,-7.257 ; U2.2@14.731,-8.396 13.849,-9.278 ; U2.2@15.029,-8.493 14.245,-9.278 13.849,-9.278 ; C17.2@10.238,-7.301 C17.2@10.281,-7.257 ; C17.2@10.238,-7.301 10.238,-7.257 C17.2@10.281,-7.257 ; C17.2@10.281,-7.257 10.314,-7.224 10.314,-7.112 10.489,-7.287 10.671,-7.287 12.662,-9.278 13.849,-9.278
  Bottom Layer w0.254: v1(-0.937,-13.713) -0.74,-13.713 -0.668,-13.786 C14.2@-0.54,-13.786 ; C14.2@-0.464,-14.011 C13.2@-0.464,-13.116
  Bottom Layer w0.3: v1(-0.937,-13.713) -0.757,-13.533 ; -0.802,-13.265 -0.757,-13.31 -0.757,-13.533 ; -0.658,-13.118 -0.658,-13.434 -0.757,-13.533 ; C14.2@-0.482,-14.042 -0.934,-14.042 -1.014,-13.962 -1.014,-13.296 -0.535,-12.817 -0.482,-12.817 -0.43,-12.869 C13.2@-0.43,-12.964 -0.43,-13.082 -0.376,-13.136 C14.2@-0.376,-13.695
  Bottom Layer w0.4: v1(6.013,-11.196) 6.013,-11.146 6.492,-10.667 6.644,-10.667 ; v1@6.018,-11.224 6.087,-11.224 v1@6.515,-10.796 ; v1@6.473,-10.829 ccw(c-4.346,2.556) v1@6.515,-10.796 ; v1@6.514,-10.926 ccw(c-4.305,2.459) v1@9.943,-7.196 ; 6.658,-10.667 6.644,-10.667 ; 6.704,-10.657 6.683,-10.657 ; 9.687,-7.496 9.687,-7.409 ; v1@9.902,-7.1 cw(c-4.346,2.556) 9.687,-7.409 ; v1@10.011,-7.182 10.02,-7.173 10.02,-6.933 9.724,-6.933 9.711,-6.947 9.711,-7.034 9.687,-7.057 9.687,-7.409 ; v1@6.515,-10.796 ccw(c-4.346,2.556) 6.683,-10.657 ; v1@6.515,-10.796 6.644,-10.667 ; 6.644,-10.667 6.653,-10.657 6.683,-10.657 ; 6.683,-10.657 ccw(c-4.346,2.556) 9.687,-7.409
  other v1: 6.469,-10.855 8.792,-8.658 10.041,-7.235 9.766,-7.028
XT4051_CHRG: U1.12 U4.1 | length 66.8
  Top Layer w0.2: U1.12@-2.629,-15.152 -2.282,-15.499 -0.844,-15.481 -0.36,-14.985 4.086,-14.929 5.27,-13.715 ; U4.1@1.491,11.576 2.096,12.182 ; 1.661,11.975 1.238,11.975 1.038,11.774 U4.1@1.038,11.729 1.428,11.729 1.881,12.182 2.096,12.182 ; 3.45,12.182 cw(c-3.026,-3.081) 7.119,10.033 ; 3.451,12.182 2.096,12.182 ; 3.877,-14.932 4.284,-14.932 5.49,-13.726 v1@5.53,-13.726 ; 7.116,10.033 7.119,10.033 ; 7.139,10.018 ccw(c-3.026,-3.081) 7.119,10.033 ; v1@7.81,7.623 7.804,7.623 7.146,8.281 7.146,8.508 ; v1@7.981,7.673 7.146,8.508 ; 7.119,10.033 7.134,10.033 7.146,10.021 7.146,8.508
  Top Layer w0.254: v1@11.561,7.668 11.737,7.491 11.737,6.716 ; v1@11.81,7.85 ccw(c19.162,7.345) v1@14.565,1.585 ; 14.054,1.99 v1@14.304,1.475
  Bottom Layer w0.2: v1@5.432,-13.671 ccw(c-2.078,1.166) v1@14.55,1.416 ; v1(7.865,7.635) 7.984,7.635 11.659,7.635 v1@11.69,7.666 ; v1@14.371,1.333 14.544,1.16 14.544,0.82
  Bottom Layer w0.254: v1@7.87,7.695 7.954,7.779 v1(11.676,7.779) 11.573,7.677 8.026,7.677 7.984,7.635 7.837,7.488 11.556,7.488 v1@11.737,7.67
  other v1: 5.505,-13.598 14.461,1.476
pads on no net: P2.0 P3.2 P3.3 P3.4 U1.13 U3.10 U6.1
copper on no net: | length 2.7
  Bottom Layer w0.254: 15.406,3.883 15.562,3.883 15.81,4.108 16.762,4.368 16.837,4.293 16.837,4.195 15.868,3.866

## Polygon pours and split planes (outlines as drawn)
GND on Top Layer "Top Layer-No Net" (hatched 90Degree grid 0.1 track 0.2, pour order 2): -12.125,-8.146 -14.116,-10.137 -14.418,-10.137 -14.418,-10.379 -10.817,-13.979 -7.377,-16.031 -4.521,-9.997 -5.285,-9.272 -7.438,-4.847 -12.145,-8.186
GND on Top Layer "Top Layer-No Net" (hatched 90Degree grid 0.1 track 0.2, remove dead copper, pour order 6): -17.567,1.331 -9.268,0.742 -8.866,2.322 -5.627,8.586 -4.529,10.193 -3.431,10.407 -0.647,10.568 3.69,10.514 4.065,17.287 1.87,17.743 1.575,17.18 -1.959,17.207 -2.039,17.662 -7.019,16.377 -11.142,13.941 -14.408,10.621 -15.774,8.051 -17.353,3.821 -17.487,2.643
GND on Bottom Layer "Top Layer-No Net" (hatched 90Degree grid 0.1 track 0.2, pour order 4): -14.495,-10.181 -11.137,-13.705 -7.264,-16.032 -3.789,-10.364 -4.521,-9.998 -5.136,-9.566 -7.546,-4.728 -14.495,-10.131

## Keep-outs
Keep-Out Layer:
  circle w0.1: c-13.5,0.037 r0.6
  lines w0.127: -13.854,11.138 -13.547,10.881 cw(c-0.104,-0.008) -10.993,13.436 -11.25,13.742 ; -13.824,11.186 ccw(c-0.063,0.054) 10.995,-13.767 ; -11.244,13.775 cw(c-0.063,0.054) 13.642,-11.148 ; 11.042,-13.789 10.785,-13.483 ccw(c-0.104,-0.039) 13.339,-10.928 13.646,-11.185 ; -8.686,-2.566 cw(c-3.527,0.054) -8.686,2.673 -5.432,9.081 cw(c-3.114,7.904) -3.114,10.504 2.988,10.504 cw(c2.988,7.904) 5.307,9.081 8.56,2.673 cw(c3.401,0.054) 8.56,-2.566 5.307,-8.974 cw(c2.988,-7.796) 2.988,-10.396 -3.114,-10.396 cw(c-3.114,-7.796) -5.432,-8.974 -8.686,-2.566

## Other copper
Top Layer:
  region net GND: 11.651,-5.449 11.651,-4.93 9.486,-4.93 9.486,-5.449
  region net GND: -7.253,15.56 -7.253,14.181 -5.568,14.181 -5.568,15.56
  region net GND: -0.82,17.206 -0.82,15.03 -0.169,15.03 -0.169,17.206
  rectangle net GND: -1.452,16.69 -0.833,17.154
  region net GND: -1.556,16.239 -1.556,16.794 -2.259,16.794 -2.259,16.239
Bottom Layer:
  region net NetB1_1: 6.806,13.036 3.269,13.036 3.269,11.815 6.806,11.815
  region net NetB1_1: 6.872,11.46 6.872,13.317 6.014,13.317 6.014,11.46
  region net GND: 1.985,12.238 1.985,13.684 1.393,13.684 1.393,12.238
  region net GND: -5.408,-13.892 -5.408,-12.852 -5.614,-12.852 -5.614,-13.892
  region net GND: -1.381,-12.931 -1.381,-12.661 -1.627,-12.661 -1.627,-12.931
  rectangle net GND: -5.457,-13.857 -1.622,-12.637
  rectangle net GND: -12.629,-11.574 -9.973,-9.688
  region net GND: -8.556,-13.92 -8.556,-11.734 -10.846,-11.734 -10.846,-13.92
  region net GND: -9.541,-11.246 -11.212,-11.246 -11.212,-12.062 -9.541,-12.062
  region net GND: -8.67,-14.538 -8.67,-15.298 -7.348,-15.298 -7.348,-14.538
  region net GND: -9.689,-13.185 -10.266,-13.762 -8.657,-15.371 -8.08,-14.794

## Silkscreen, mask and mechanical layers (free items; w line width, h text height)
Top Overlay:
  lines w0.127: 9.117,-0.846 17.614,-0.846 ; 9.117,0.954 17.614,0.954
  text "YZL-T808-V1.0" at -12.576,10.729 h1.52
  text "2019-10-08" at -12.335,9.458 h1.52
  text "玻纤双面板 有铅喷锡  35*35mm 厚度=0.6mm," at -13.531,-21.074 h1.52
Bottom Overlay:
  region: 9.504,8.019 9.504,10.518 8.906,10.518 8.906,8.019
  lines w0.127: 13.817,6.701 15.997,7.495 ; 14.777,4.068 17.023,4.676 ; -12.518,-6.954 ccw(c-11.518,-6.954) -11.518,-7.954 11.482,-7.954 ccw(c11.482,-6.954) 12.482,-6.954 12.482,7.046 ccw(c11.482,7.046) 11.482,8.046 -11.518,8.046 ccw(c-11.518,7.046) -12.518,7.046 -12.518,-6.954 ; -5.44,11.593 -5.44,16.593 5.56,16.593 5.56,11.593 -5.44,11.593
  text "USB_VCC" at -7.702,12.259 h1
  text "GND" at -7.782,8.834 h1
  text "GND" at 11.154,7.01 h1
  text "BAT" at 8.334,6.821 h1
Top Solder:
  region: -29.622,-72.667 -29.622,-79.531 -13.231,-79.531 -13.231,-72.667
  rectangle: -13.323,-77.575 0.298,-72.626
Bottom Solder:
  rectangle: -29.711,-83.041 0.252,-72.563
Mechanical 15:
  lines w0.1: -20.465,0.016 17.635,0.016 ; -0.004,-19.083 -0.004,19.017

## Text inside footprints (layer, text, board x,y; h text height)
D1: Top Overlay "+" at -5.493,13.905 h1
D2: Bottom Overlay "+" at 6.024,14.299 h0.8 r90
P3: Bottom Overlay "-" at -13.532,6.822 h0.6 r250; Bottom Overlay "+" at -14.937,3.324 h0.6 r250
U3: Top Overlay "Y" at 8.385,-11.276 h0.8 r180; Top Overlay "x" at 8.858,-11.864 h0.8 r180